# Altium PCB MB1635.PcbDoc (part 3 of 10)
Units mm, origin at the board's own origin, x right, y up, seen from the top; angles counter-clockwise.
Board outline 127 x 97 mm, 6 copper layers (Top Layer, Signal Layer 1, Signal Layer 2, Signal Layer 3, Signal Layer 4, Bottom Layer), stack 1.557 mm thick; 593 components, 478 nets, 2435 pads, 1743 vias.
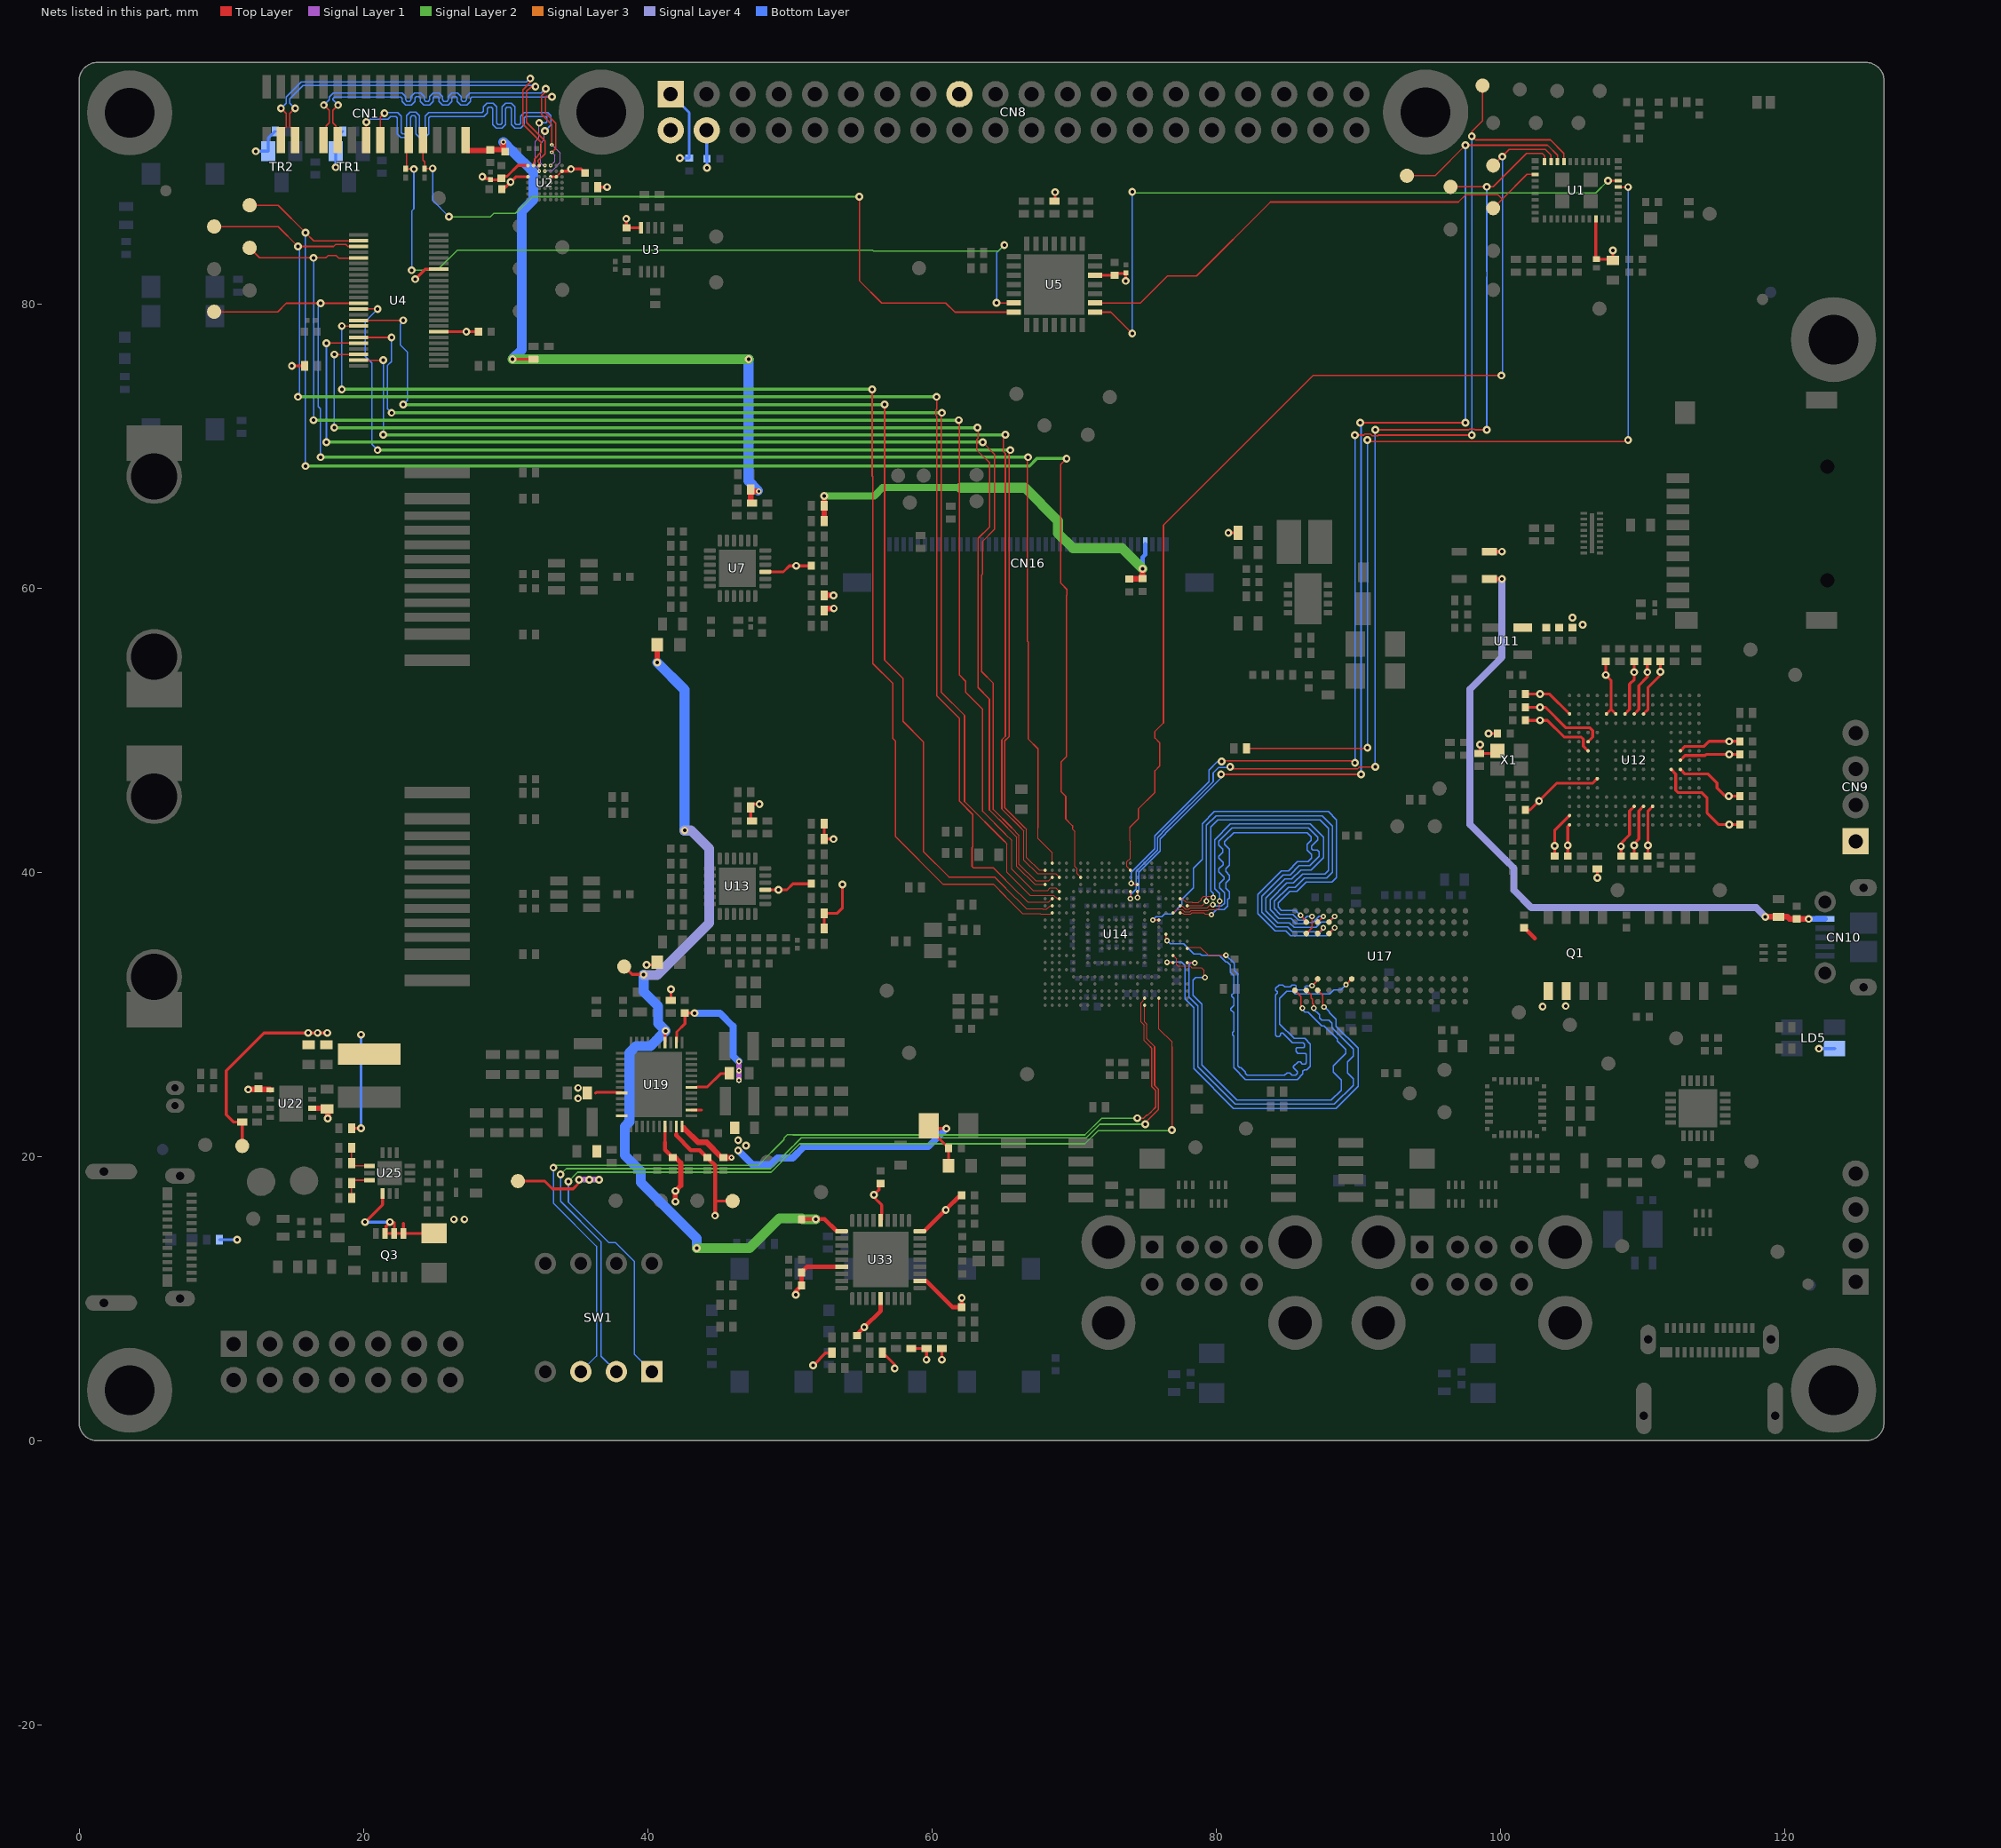
[diagram p7: the nets of this part, all layers, seen from the top]

## Part data (continued)
R31 R71 R75 R80 R82 R108 R120 R121 R168 R169: library part MCD-00068, "Resistor, 1K5, 0402, +/-1%, 1/16W", Manufacturer=YAGEO, Manufacturer_Part_Number=RC0402FR-071K5L, Package=0402, Component_Country_Of_Origin=China, ComponentLink1URL=http://tunmcdsvn.tun.st.com/Component_Documentation_Library/Trunk/Resistor/YAGEO_RC_L_Series, ID=2524, Internal_Part_Number=MCD-00068, Order_Code_Digikey=311-1.50KLRCT-ND, Order_Code_Farnell=9239251, Order_Code_RS=N/A, Part_Preference=Recommended, Part_Type=Resistor, ShowFields=YES, Status=Released
R35 R123 R127 R131 R138 R151: library part MCD-00181, "Resistor, 0R, 0603, +/- 0.5mR, 1/4W", Manufacturer=ROHM, Manufacturer_Part_Number=PMR03EZPJ000, Package=0603, Component_Country_Of_Origin="Philippines, Thailand", ComponentLink1URL=http://tunmcdsvn.tun.st.com/Component_Documentation_Library/Trunk/Resistor/ROHM_PMR_Series, ID=2691, Internal_Part_Number=MCD-00181, Order_Code_Digikey=PMR03EZPJ000-ND, Order_Code_Farnell=N/A, Order_Code_RS=N/A, Part_Preference=Recommended, Part_Type=Resistor, ShowFields=YES, Status=Released
R36 R41 R51 R79 R86 R98 R109: library part MCD-00455, "Resistor, 33R, 0402, +/-1%, 1/16W", Manufacturer=YAGEO, Manufacturer_Part_Number=RC0402FR-0733RL, Package=0402, Component_Country_Of_Origin=China, ComponentLink1URL=http://tunmcdsvn.tun.st.com/Component_Documentation_Library/Trunk/Resistor/YAGEO_RC_L_Series, ID=2821, Internal_Part_Number=MCD-00455, Order_Code_Digikey=311-33.0LRCT-ND, Order_Code_Farnell=9239057, Order_Code_RS=N/A, Part_Preference=Recommended, Part_Type=Resistor, ShowFields=YES, Status=Released
R37 R39 R40 R42 R92 R95 R97 R99: library part MCD-00565, "Resistor, 49R9, 0402, +/-1%, 1/16W", Manufacturer=YAGEO, Manufacturer_Part_Number=RC0402FR-0749R9L, Package=0402, Component_Country_Of_Origin=China, ComponentLink1URL=http://tunmcdsvn.tun.st.com/Component_Documentation_Library/Trunk/Resistor/YAGEO_RC_L_Series, ID=3178, Internal_Part_Number=MCD-00565, Order_Code_Digikey=311-49.9LRCT-ND, Order_Code_Farnell=1799218, Order_Code_RS=N/A, Part_Preference=Recommended, Part_Type=Resistor, ShowFields=YES, Status=Released
R44 R46 R156 R158 R159 R160 R161 R164 R165: library part MCD-00059, "Resistor, 100K, 0402, +/-1%, 1/16W", Manufacturer=YAGEO, Manufacturer_Part_Number=RC0402FR-07100KL, Package=0402, Component_Country_Of_Origin=China, ComponentLink1URL=http://tunmcdsvn.tun.st.com/Component_Documentation_Library/Trunk/Resistor/YAGEO_RC_L_Series, ID=2533, Internal_Part_Number=MCD-00059, Order_Code_Digikey=311-100KLRTR-ND, Order_Code_Farnell=2421891, Order_Code_RS=N/A, Part_Preference=Recommended, Part_Type=Resistor, ShowFields=YES, Status=Released
R47 R101: library part MCD-00723, "Resistor, 12K1, 0402, +/-1%, 1/16W", Manufacturer=YAGEO, Manufacturer_Part_Number=RC0402FR-0712K1L, Package=0402, Component_Country_Of_Origin=China, ComponentLink1URL=http://tunmcdsvn.tun.st.com/Component_Documentation_Library/Trunk/Resistor/YAGEO_RC_L_Series, ID=3022, Internal_Part_Number=MCD-00723, Order_Code_Digikey=311-12.1KLRCT-ND, Order_Code_Farnell=1799183, Order_Code_RS=N/A, Part_Preference=Recommended, Part_Type=Resistor, ShowFields=YES, Status=Released
R49: library part MCD-00060, "Resistor, 10R, 0603, +/-1%, 1/4W", Manufacturer=ROHM, Manufacturer_Part_Number=ESR03EZPF10R0, Package=0603, Component_Country_Of_Origin="Philippines, Thailand", ComponentLink1URL=http://tunmcdsvn.tun.st.com/Component_Documentation_Library/Trunk/Resistor/ROHM_ESR_Series, ID=2531, Internal_Part_Number=MCD-00060, Order_Code_Digikey=RHM10.0ADCT-ND, Order_Code_Farnell=2887146, Order_Code_RS=167-3753, Part_Preference=Recommended, Part_Type=Resistor, ShowFields=YES, Status=Released
R50 R107: library part MCD-00189, "Resistor, 22R, 0402, +/-1%, 1/16W", Manufacturer=YAGEO, Manufacturer_Part_Number=RC0402FR-0722RL, Package=0402, Component_Country_Of_Origin=China, ComponentLink1URL=http://tunmcdsvn.tun.st.com/Component_Documentation_Library/Trunk/Resistor/YAGEO_RC_L_Series, ID=2677, Internal_Part_Number=MCD-00189, Order_Code_Digikey=311-22.0LRCT-ND, Order_Code_Farnell=9239030, Order_Code_RS=N/A, Part_Preference=Recommended, Part_Type=Resistor, ShowFields=YES, Status=Released
R62 R63 R148: library part MCD-00433, "Resistor, 2K4, 0402, +/-1%, 1/16W", Manufacturer=YAGEO, Manufacturer_Part_Number=RC0402FR-072K4L, Package=0402, Component_Country_Of_Origin=China, ComponentLink1URL=http://tunmcdsvn.tun.st.com/Component_Documentation_Library/Trunk/Resistor/YAGEO_RC_L_Series, ID=2843, Internal_Part_Number=MCD-00433, Order_Code_Digikey=311-2.40KLRCT-ND, Order_Code_Farnell=1458767, Order_Code_RS=N/A, Part_Preference=Recommended, Part_Type=Resistor, ShowFields=YES, Status=Released
R66 R128: library part MCD-00185, "Resistor, 3K, 0402, +/-1%, 1/16W", Manufacturer=YAGEO, Manufacturer_Part_Number=RC0402FR-073KL, Package=0402, Component_Country_Of_Origin=China, ComponentLink1URL=http://tunmcdsvn.tun.st.com/Component_Documentation_Library/Trunk/Resistor/YAGEO_RC_L_Series, ID=2682, Internal_Part_Number=MCD-00185, Order_Code_Digikey=311-3KLRCT-ND, Order_Code_Farnell=1458777, Order_Code_RS=N/A, Part_Preference=Recommended, Part_Type=Resistor, ShowFields=YES, Status=Released
R74 R173 R175 R177 R182: library part MCD-00067, "Resistor, 100R, 0402, +/- 1%, 1/16W", Manufacturer=YAGEO, Manufacturer_Part_Number=RC0402FR-07100RL, Package=0402, Component_Country_Of_Origin=China, ComponentLink1URL=http://tunmcdsvn.tun.st.com/Component_Documentation_Library/Trunk/Resistor/YAGEO_RC_L_Series, ID=2527, Internal_Part_Number=MCD-00067, Order_Code_Digikey=311-100LRCT-ND, Order_Code_Farnell=9239111, Order_Code_RS=N/A, Part_Preference=Recommended, Part_Type=Resistor, ShowFields=YES, Status=Released
R111: library part MCD-03129, "Resistor, 12mR, 0603, 1%, 1/2W", Manufacturer=PANASONIC, Manufacturer_Part_Number=ERJ-3BWFR022V, Package=0603, Component_Country_Of_Origin=Japan, ComponentLink1URL=http://tunmcdsvn.tun.st.com/Component_Documentation_Library/Trunk/Resistor/PANASONIC_ERJ_Series, ID=4332, Internal_Part_Number=MCD-02232, Order_Code_Digikey=P17462CT-ND, Order_Code_Farnell=1798578, Order_Code_RS=763-8671P, Part_Preference=Recommended, Part_Type=Resistor, ShowFields=YES, Status=Checked
R112 R179: library part MCD-00120, "Resistor, 240R, 0402, +/-1%, 1/16W", Manufacturer=YAGEO, Manufacturer_Part_Number=RC0402FR-07240RL, Package=0402, Component_Country_Of_Origin=China, ComponentLink1URL=http://tunmcdsvn.tun.st.com/Component_Documentation_Library/Trunk/Resistor/YAGEO_RC_L_Series, ID=2745, Internal_Part_Number=MCD-00120, Order_Code_Digikey=311-240LRCT-ND, Order_Code_Farnell=1458766, Order_Code_RS=N/A, Part_Preference=Recommended, Part_Type=Resistor, ShowFields=YES, Status=Released
R113 R124 R137: library part MCD-02234, "Resistor, 100mR, 0603, +/- 1%, 1/3W", Manufacturer=PANASONIC, Manufacturer_Part_Number=ERJ-3BWFR100V, Package=0603, Component_Country_Of_Origin=Japan, ComponentLink1URL=http://tunmcdsvn.tun.st.com/Component_Documentation_Library/Trunk/Resistor/PANASONIC_ERJ_Series, ID=4334, Internal_Part_Number=MCD-02234, Order_Code_Digikey=P17478CT-ND, Order_Code_Farnell=1798596, Order_Code_RS=763-8731, Part_Preference=Recommended, Part_Type=Resistor, ShowFields=YES, Status=Checked
R117 R125 R152 R183: library part MCD-00062, "Resistor, 330R, 0402, +/-1%, 1/16W", Manufacturer=YAGEO, Manufacturer_Part_Number=RC0402FR-07330RL, Package=0402, Component_Country_Of_Origin=China, ComponentLink1URL=http://tunmcdsvn.tun.st.com/Component_Documentation_Library/Trunk/Resistor/YAGEO_RC_L_Series, ID=2529, Internal_Part_Number=MCD-00062, Order_Code_Digikey=311-330LRCT-ND, Order_Code_Farnell=9239170, Order_Code_RS=N/A, Part_Preference=Recommended, Part_Type=Resistor, ShowFields=YES, Status=Released
R126 R132: library part MCD-02233, "Resistor, 50mR, 0603, +/-1%, 1/3W", Manufacturer=PANASONIC, Manufacturer_Part_Number=ERJ-3BWFR050V, Package=0603, Component_Country_Of_Origin=Japan, ComponentLink1URL=http://tunmcdsvn.tun.st.com/Component_Documentation_Library/Trunk/Resistor/PANASONIC_ERJ_Series, ID=4333, Internal_Part_Number=MCD-02233, Order_Code_Digikey=ERJ-3BWFR050V, Order_Code_Farnell=2493026, Order_Code_RS=RA, Part_Preference=Recommended, Part_Type=Resistor, ShowFields=YES, Status=Checked
R129: library part MCD-00384, "Resistor, 13K, 0603,+/-1%, 1/10W", Manufacturer=YAGEO, Manufacturer_Part_Number=RC0603FR-0713KL, Package=0603, Component_Country_Of_Origin=China, ComponentLink1URL=http://tunmcdsvn.tun.st.com/Component_Documentation_Library/Trunk/Resistor/YAGEO_RC_L_Series, ID=2894, Internal_Part_Number=MCD-00384, Order_Code_Digikey=311-13.0KHRCT-ND, Order_Code_Farnell=1799325, Order_Code_RS=N/A, Part_Preference=Recommended, Part_Type=Resistor, ShowFields=YES, Status=Released
R134: library part MCD-00420, "Resistor, 2K ,0603, +/-1%, 1/10W", Manufacturer=YAGEO, Manufacturer_Part_Number=RC0603FR-072KL, Package=0603, Component_Country_Of_Origin=China, ComponentLink1URL=http://tunmcdsvn.tun.st.com/Component_Documentation_Library/Trunk/Resistor/YAGEO_RC_L_Series, ID=2857, Internal_Part_Number=MCD-00420, Order_Code_Digikey=311-2.00KHRCT-ND, Order_Code_Farnell=1799328, Order_Code_RS=N/A, Part_Preference=Recommended, Part_Type=Resistor, ShowFields=YES, Status=Released
R135: library part MCD-00521, "Resistor, 75K, 0402, +/-1%, 1/16W", Manufacturer=YAGEO, Manufacturer_Part_Number=RC0402FR-0775KL, Package=0402, Component_Country_Of_Origin=China, ComponentLink1URL=http://tunmcdsvn.tun.st.com/Component_Documentation_Library/Trunk/Resistor/YAGEO_RC_L_Series, ID=3220, Internal_Part_Number=MCD-00521, Order_Code_Digikey=311-75KLRCT-ND, Order_Code_Farnell=1458825, Order_Code_RS=N/A, Part_Preference=Recommended, Part_Type=Resistor, ShowFields=YES, Status=Released
R136: library part MCD-00435, "Resistor, 24K, 0402, +/-1%, 1/16W", Manufacturer=YAGEO, Manufacturer_Part_Number=RC0402FR-0724KL, Package=0402, Component_Country_Of_Origin=China, ComponentLink1URL=http://tunmcdsvn.tun.st.com/Component_Documentation_Library/Trunk/Resistor/YAGEO_RC_L_Series, ID=2845, Internal_Part_Number=MCD-00435, Order_Code_Digikey=311-24KLRCT-ND, Order_Code_Farnell=N/A, Order_Code_RS=N/A, Part_Preference=Recommended, Part_Type=Resistor, ShowFields=YES, Status=Released
R142: library part MCD-00259, "Resistor, 33K, 0603, +/-1%, 1/10W", Manufacturer=YAGEO, Manufacturer_Part_Number=RC0603FR-0733KL, Package=0603, BMS_Part_Number=9129771, Component_Country_Of_Origin=China, ComponentLink1URL=http://tunmcdsvn.tun.st.com/Component_Documentation_Library/Trunk/Resistor/YAGEO_RC_L_Series, ID=2610, Internal_Part_Number=MCD-00259, Order_Code_Digikey=311-33.0KHRCT-ND, Order_Code_Farnell=9238662, Order_Code_RS=N/A, Part_Preference=Recommended, Part_Type=Resistor, ShowFields=YES, Status=Released
R143: library part MCD-00530, "Resistor, 8K2, 0603, +/-1%, 1/10W", Manufacturer=YAGEO, Manufacturer_Part_Number=RC0603FR-078K2L, Package=0603, Component_Country_Of_Origin=China, ComponentLink1URL=http://tunmcdsvn.tun.st.com/Component_Documentation_Library/Trunk/Resistor/YAGEO_RC_L_Series, ID=3212, Internal_Part_Number=MCD-00530, Order_Code_Digikey=311-8.20KHRCT-ND, Order_Code_Farnell=9238590, Order_Code_RS=N/A, Part_Preference=Recommended, Part_Type=Resistor, ShowFields=YES, Status=Released
R145 R147: library part MCD-00333, "Resistor, 5K1, 0402, +/-1%, 1/16W", Manufacturer=YAGEO, Manufacturer_Part_Number=RC0402FR-075K1L, Package=0402, Component_Country_Of_Origin=China, ComponentLink1URL=http://tunmcdsvn.tun.st.com/Component_Documentation_Library/Trunk/Resistor/YAGEO_RC_L_Series, ID=2944, Internal_Part_Number=MCD-00333, Order_Code_Digikey=311-5.10KLRCT-ND, Order_Code_Farnell=1458805, Order_Code_RS=N/A, Part_Preference=Recommended, Part_Type=Resistor, ShowFields=YES, Status=Released
R146: library part MCD-00187, "Resistor, 12K, 0402, +/-1%, 1/16W", Manufacturer=YAGEO, Manufacturer_Part_Number=RC0402FR-0712KL, Package=0402, BMS_Part_Number=9131030, Component_Country_Of_Origin=China, ComponentLink1URL=http://tunmcdsvn.tun.st.com/Component_Documentation_Library/Trunk/Resistor/YAGEO_RC_L_Series, ID=2678, Internal_Part_Number=MCD-00187, Order_Code_Digikey=311-12.0KLRCT-ND, Order_Code_Farnell=9239367, Order_Code_RS=N/A, Part_Preference=Recommended, Part_Type=Resistor, ShowFields=YES, Status=Released
R153 R154 R155 R157 R170 R171 R174 R181: library part MCD-00061, "Resistor, 1K, 0402, +/-1%,1/16W", Manufacturer=YAGEO, Manufacturer_Part_Number=RC0402FR-071KL, Package=0402, Component_Country_Of_Origin=China, ComponentLink1URL=http://tunmcdsvn.tun.st.com/Component_Documentation_Library/Trunk/Resistor/YAGEO_RC_L_Series, ID=2532, Internal_Part_Number=MCD-00061, Order_Code_Digikey=311-1.00KLRCT-ND, Order_Code_Farnell=9239235, Order_Code_RS=N/A, Part_Preference=Recommended, Part_Type=Resistor, ShowFields=YES, Status=Released
R172 R184: library part MCD-00507, "Resistor, 680R, 0402, +/-1%, 1/16W", Manufacturer=YAGEO, Manufacturer_Part_Number=RC0402FR-07680RL, Package=0402, Component_Country_Of_Origin=China, ComponentLink1URL=http://tunmcdsvn.tun.st.com/Component_Documentation_Library/Trunk/Resistor/YAGEO_RC_L_Series, ID=3238, Internal_Part_Number=MCD-00507, Order_Code_Digikey=311-680LRCT-ND, Order_Code_Farnell=9239219, Order_Code_RS=N/A, Part_Preference=Recommended, Part_Type=Resistor, ShowFields=YES, Status=Released
R185: library part MCD-01512, "Resistor, 1R, 0603, +/-1%, 1/10W", Manufacturer=YAGEO, Manufacturer_Part_Number=RC0603FR-071RL, Package=0603, Component_Country_Of_Origin=China, ComponentLink1URL=http://tunmcdsvn.tun.st.com/Component_Documentation_Library/Trunk/Resistor/YAGEO_RC_L_Series, ID=3612, Internal_Part_Number=MCD-01512, Order_Code_Digikey=311-1.00HRCT-ND, Order_Code_Farnell=9238123, Order_Code_RS=N/A, Part_Preference=Recommended, Part_Type=Resistor, ShowFields=YES, Status=Released
R186: library part MCD-00489, "Resistor, 560R, 0402, +/-1%, 1/16W", Manufacturer=YAGEO, Manufacturer_Part_Number=RC0402FR-07560RL, Package=0402, Component_Country_Of_Origin=China, ComponentLink1URL=http://tunmcdsvn.tun.st.com/Component_Documentation_Library/Trunk/Resistor/YAGEO_RC_L_Series, ID=2789, Internal_Part_Number=MCD-00489, Order_Code_Digikey=311-560LRCT-ND, Order_Code_Farnell=9239200, Order_Code_RS=N/A, Part_Preference=Recommended, Part_Type=Resistor, ShowFields=YES, Status=Released
SW1: library part MCD-02256, "Quad SPST switch, TH, 2.54mm pitch, height 7.5mm", Manufacturer=GRAYHILL, Package="DIP8 2.54mm pitch", Component_Country_Of_Origin=China, ComponentLink1URL=http://tunmcdsvn.tun.st.com/Component_Datasheet_Library/Trunk/Misc/GRAYHILL_DIP_Series_76_SPST, ID=4356, Internal_Part_Number=MCD-02256, Manufacturer_Part_Number=76SB04ST, Order_Code_Digikey=GH7169-ND, Order_Code_Farnell=9479007, Order_Code_RS=878-0230, Part_Preference=Recommended, Part_Type=Misc, ShowFields=YES, Status=Released
TP1 TP2 TP3 TP4 TP5 TP6 TP7 TP8 TP9 TP10 TP11 TP12 TP13 TP14 TP15 TP16 TP17 TP18 TP19 TP20 TP21 TP22 TP23 TP24 TP25 TP26 TP27 TP28 TP29 TP30 TP31 TP32 TP33 TP34 TP35 TP36 TP37 TP38 TP39 TP40 TP41 TP42 TP43 TP44 TP45 TP46 TP47 TP48 TP49 TP50 TP51 TP52 TP53 TP54 TP55 TP56 TP57 TP58 TP59 TP61 TP62 TP63 TP64 TP65 TP66 TP67 TP69 TP70 TP71 TP72 TP73 TP74 TP75 TP77: library part MCD-00074, "Test Point 1mm", Manufacturer=N/A, ComponentLink1URL=http://na, ID=2518, Internal_Part_Number=MCD-00074, Manufacturer_Part_Number=N/A, Order_Code_Digikey=N/A, Order_Code_Farnell=N/A, Order_Code_RS=N/A, Part_Preference=Recommended, Part_Type=Misc, ShowFields=YES, Status=Released
TP68 TP76: library part MCD-00177, "Test Point 2mm", Manufacturer=N/A, ComponentLink1URL=http://na, ID=2690, Internal_Part_Number=MCD-00177, Manufacturer_Part_Number=N/A, Order_Code_Digikey=N/A, Order_Code_Farnell=N/A, Order_Code_RS=N/A, Part_Preference=Recommended, Part_Type=Misc, ShowFields=YES, Status=Released
TR1 TR2: library part MCD-02156, "MOSFET, N-Channel , Vds: 25V, Id: 0,22A, Vgs(th): 1.06V, Vgs(max): +/-8V, Rdson:5ohm@Vgs=2.7V, Qg=0,49nC", Manufacturer="ON SEMICONDUCTOR", Manufacturer_Part_Number=FDV301N, Package=SOT23-3, Component_Country_Of_Origin=China, ComponentLink1URL=http://tunmcdsvn.tun.st.com/Component_Datasheet_Library/Trunk/Transistors/ON_SEMICONDUCTOR_MOSFET_FDN301N, ID=4256, Internal_Part_Number=MCD-02156, Order_Code_Digikey=N/A, Order_Code_Farnell=N/A, Order_Code_RS=N/A, Part_Preference=Recommended, Part_Type=Transistor, ShowFields=YES, Status=Released
U1: library part MCD-00268, "IEEE802.11b/g/n W-LAN + Bluetooth 4.1+EDR module", Manufacturer=MURATA, Manufacturer_Part_Number=LBEE5KL1DX-977, Component_Country_Of_Origin=Japan, ComponentLink1URL=http://tunmcdsvn.tun.st.com/Component_Datasheet_Library/Trunk/IC/MURATA_LBEE5KL1DX_wifi_BLE, ID=2603, Internal_Part_Number=MCD-00268, Part_Preference=Recommended, Part_Type=IC, ShowFields=YES, Status=Released
U2: library part MCD-02213, "Dual mode MIPI CSI-2 / SMIA CCP2 de-serializer", Manufacturer=STMICROELECTRONICS, Manufacturer_HQ_COO=EU, Manufacturer_Part_Number=STMIPID02/TR, Package="VFBGA 49-ball, 3x3x1mm, 0.4mm pitch", Component_Country_Of_Origin=Malaysia, ComponentLink1URL="http://tunmcdsvn.tun.st.com/Component_Datasheet_Library/Trunk/IC/STM_STMIPID02_MIPI deserializer", ID=4313, Internal_Part_Number=MCD-02213, Order_Code_Digikey=N/A, Order_Code_Farnell=N/A, Order_Code_RS=N/A, Part_Preference=Recommended, Part_Type=IC, ShowFields=YES, Status=Released
U3: library part MCD-00264, "Dual bit dual supply bus transceiver", Manufacturer="TEXAS INSTRUMENTS", BMS_Part_Number=9169311, Component_Country_Of_Origin=Thailand, ComponentLink1URL=http://tunmcdsvn.tun.st.com/Component_Datasheet_Library/Trunk/IC/TI_Dual_bit_tranceiver_SN74LVC2T45, ID=2605, Internal_Part_Number=MCD-00264, Manufacturer_Part_Number=SN74LVC2T45DCUT, Part_Preference=Recommended, Part_Type=IC, ShowFields=YES, Status=Released
U4: library part MCD-02226, "16-bit translating transceiver", Manufacturer="TEXAS INSTRUMENTS", Manufacturer_Part_Number=SN74AVC16T245DGVR, Package="TVSOP,  56-ball 4.5x7mm, 0.65mm pitch", Component_Country_Of_Origin=Malaysia, ComponentLink1URL=http://tunmcdsvn.tun.st.com/Component_Datasheet_Library/Trunk/IC/TI_16-bit_translating_transceiver_SN74AVC16T245, ID=4326, Internal_Part_Number=MCD-02226, Order_Code_Digikey=N/A, Order_Code_Farnell=N/A, Order_Code_RS=N/A, Part_Preference=Recommended, Part_Type=IC, ShowFields=YES, Status=Released
U5: library part MCD-02210, "16-bit port expander with I2C control", Manufacturer=MICROCHIP, Manufacturer_Part_Number=MCP23017T-E/ML, Package="QFN28 6x6mm", Component_Country_Of_Origin=Unknown, ComponentLink1URL=http://tunmcdsvn.tun.st.com/Component_Datasheet_Library/Trunk/IC/MICROCHIP_IOexpander_MCP23017, ID=4310, Internal_Part_Number=MCD-02210, Order_Code_Digikey=MCP23017T-E/MLTR-ND, Order_Code_Farnell=2857786, Order_Code_RS=177-2846, Part_Preference=Recommended, Part_Type=IC, ShowFields=YES, Status=Released
U6: library part MCD-00249, "ESD protection for SD card 2.0", Manufacturer=STMICROELECTRONICS, Manufacturer_HQ_COO=EU, BMS_Part_Number=9179003, Component_Country_Of_Origin=Thailand, ComponentLink1URL=http://tunmcdsvn.tun.st.com/Component_Datasheet_Library/Trunk/Diodes/STM_ESD_EMIF06-MSD02N16, ID=2617, Internal_Part_Number=MCD-00249, Manufacturer_Part_Number=EMIF06-MSD02N16, Order_Code_Digikey=497-8751-2-ND, Order_Code_Farnell=2341664, Order_Code_RS=165-8188, Part_Preference=Recommended, Part_Type=Diode, ShowFields=YES, Status=Released
U7 U13: library part MCD-00719, "10/100M RMII Ethernet transceiver", Manufacturer=MICROCHIP, BMS_Part_Number=9177984, Component_Country_Of_Origin=Unknown, ComponentLink1URL=http://tunmcdsvn.tun.st.com/Component_Datasheet_Library/Trunk/IC/MICROCHIP_LAN8742A_RMII_PHY, ID=3026, Internal_Part_Number=MCD-00719, Manufacturer_Part_Number=LAN8742A-CZ-TR, Part_Preference=Recommended, Part_Type=IC, ShowFields=YES, Status=Released
U8 U15: library part MCD-00250, "Very low capacitance ESD protection , 4 lines", Manufacturer=STMICROELECTRONICS, Manufacturer_HQ_COO=EU, BMS_Part_Number=9151001, Component_Country_Of_Origin=China, ComponentLink1URL=http://tunmcdsvn.tun.st.com/Component_Datasheet_Library/Trunk/Diodes/STM_ESD_USBLC6-4SC6, ID=2616, Internal_Part_Number=MCD-00250, Manufacturer_Part_Number=USBLC6-4SC6, Part_Preference=Recommended, Part_Type=IC, ShowFields=YES, Status=Released
U9: library part MCD-00082, "White LED power supply for large display backlight, QFN8", Manufacturer=STMICROELECTRONICS, Manufacturer_HQ_COO=EU, BMS_Part_Number=9176009, Component_Country_Of_Origin=Malaysia, ComponentLink1URL=http://tunmcdsvn.tun.st.com/Component_Datasheet_Library/Trunk/IC/STM_White-LED-PWR_STLD40DPUR_QFN8, ID=2510, Internal_Part_Number=MCD-00082, Manufacturer_Part_Number=STLD40DPUR, Part_Preference=Recommended, Part_Type=IC, ShowFields=YES, Status=Released
U10 U37 U40 U41: library part MCD-00170, "ESD protection 6V1", Manufacturer=STMICROELECTRONICS, Manufacturer_HQ_COO=EU, Manufacturer_Part_Number=ESDALC6V1-1U2, BMS_Part_Number=9151132, Component_Country_Of_Origin=China, ComponentLink1URL=http://tunmcdsvn.tun.st.com/Component_Datasheet_Library/Trunk/Diodes/STM_ESD_ESDALC6V1-1U2, ID=2696, Internal_Part_Number=MCD-00170, Part_Preference=Recommended, Part_Type=Diode, ShowFields=YES, Status=Released
U11: library part MCD-00086, "Ultra low drop-low noise BiCMOS voltage, regulators low ESR capacitors compatible", Manufacturer=STMICROELECTRONICS, Manufacturer_HQ_COO=EU, BMS_Part_Number=9176161, Component_Country_Of_Origin=China, ComponentLink1URL=http://tunmcdsvn.tun.st.com/Component_Datasheet_Library/Trunk/IC/STM_LDO_LD3985, ID=2506, Internal_Part_Number=MCD-00086, Manufacturer_Part_Number=LD3985M33R, Part_Preference=Recommended, Part_Type=IC, ShowFields=YES, Status=Released
U12: library part MCD-01523, "MCU, Arm Cortex-M7 32-bit MCU, 512KB Flash, 276KB RAM, With Crypto", Manufacturer=STMICROELECTRONICS, Manufacturer_HQ_COO=EU, Manufacturer_Part_Number=STM32F723IEK6, Package=ICC_UFBGA201_176+25_10X10_P065, Component_Country_Of_Origin=Philippines, ComponentLink1URL=http://tunmcdsvn.tun.st.com/Component_Datasheet_Library/Trunk/IC/BGA176+25L_10x10x0.6_pitch0.65.pdf, ID=3623, Internal_Part_Number=MCD-01523, Part_Preference=Recommended, Part_Type=IC, ShowFields=YES
U14: library part MCD-02251, "Cortex-A7 @ 900MHz, 128KB-ROM, 128KB-SRAM, 2x Ethernet, 2x ADC, 2x CAN FD, TSC, Camera, Display, Secure Boot, Cryptography, DRAM enc/dec, PKA", Manufacturer=STMICROELECTRONICS, Manufacturer_HQ_COO=EU, Package=TFBGA320, Component_Country_Of_Origin=Unknown, ComponentLink1URL=http://tunmcdsvn.tun.st.com/Component_Datasheet_Library/Trunk/Socket_IC/STM_MPU_STM32MP135FAF7_Socket, ID=4351, Internal_Part_Number=MCD-02251, Manufacturer_Part_Number=STM32MP135FAF7, Order_Code_Digikey=N/A, Order_Code_Farnell=N/A, Order_Code_RS=N/A, Part_Preference=Recommended, Part_Type=IC, ShowFields=YES, Status=Checked
U16: library part MCD-00251, "High power transient voltage suppressor, 7V breakdown", Manufacturer=STMICROELECTRONICS, Manufacturer_HQ_COO=EU, Manufacturer_Part_Number=ESDA7P60-1U1M, BMS_Part_Number=9179042, Component_Country_Of_Origin=China, ComponentLink1URL=http://tunmcdsvn.tun.st.com/Component_Datasheet_Library/Trunk/Diodes/STM_ESD_ESDA7P60-1U1M, ID=2618, Internal_Part_Number=MCD-00251, Part_Preference=Recommended, Part_Type=Diode, ShowFields=YES, Status=Released
U17: library part MCD-01811, "Memory,DDR3L,4Gb,256Mbx16,933Mhz,1V35,TFBGA", Manufacturer=NANYA, BMS_Part_Number=9171435, Component_Country_Of_Origin=Taiwan, ComponentLink1URL=http://tunmcdsvn.tun.st.com/Component_Datasheet_Library/Trunk/IC/Nanya_DDR3_NT5CC256M16ER-EK, ID=3911, Internal_Part_Number=MCD-01811, Manufacturer_Part_Number=NT5CC256M16ER-EK, Part_Preference=Recommended, Part_Type=IC, ShowFields=YES, Status=Released
U18 U26 U27 U28 U29 U32: library part MCD-00649, "Common mode filter with ESD protection for USB 2.0 interface", Manufacturer=STMICROELECTRONICS, Manufacturer_HQ_COO=EU, BMS_Part_Number=9151138, Component_Country_Of_Origin=China, ComponentLink1URL=http://tunmcdsvn.tun.st.com/Component_Datasheet_Library/Trunk/Diodes/STM_ESD_ECMF02-2AMX6, ID=3094, Internal_Part_Number=MCD-00649, Manufacturer_Part_Number=ECMF02-2AMX6, Part_Preference=Recommended, Part_Type=Diode, ShowFields=YES, Status=Released
U19: library part MCD-02275, "ST PMIC: 4 step-down +1 advanced boost SMPS, 6 LDOs, 2 pwr switches, DDR Vref, NVM option 'D' for IO@3.3V", Manufacturer=STMICROELECTRONICS, Manufacturer_Part_Number=STPMIC1DPQR, Package="WFQFN 5.0x6.0x0.80mm", Component_Country_Of_Origin=Philippines, ComponentLink1URL=http://tunmcdsvn.tun.st.com/Component_Documentation_Library/Trunk/IC/STMICROELECTRONICS_STPMIC1, ID=4375, Internal_Part_Number=MCD-02275, Order_Code_Digikey=N/A, Order_Code_Farnell=N/A, Order_Code_RS=N/A, Part_Preference=Recommended, Part_Type=IC, ShowFields=YES, Status=Released
U20: library part MCD-02130, "USB Type-C Port Protection for USB DRP Power Delivery, PPS compliant", Manufacturer=STMICROELECTRONICS, Manufacturer_HQ_COO=EU, Package=QFN-20L, Component_Country_Of_Origin=Unknown, ComponentLink1URL=http://tunmcdsvn.tun.st.com/Component_Documentation_Library/Trunk/IC/STMICROELECTRONICS_TCPP03-M20, ID=4230, Internal_Part_Number=MCD-02130, Manufacturer_Part_Number=TCPP03-M20, Order_Code_Digikey=N/A, Order_Code_Farnell=N/A, Order_Code_RS=N/A, Part_Preference=Recommended, Part_Type=IC, ShowFields=YES, Status=Released
U21: library part MCD-02218, "Arm Cortex-M0+ 32-bit MCU, up to 128 KB Flash, 36 KB RAM,  4x USART, timers, ADC, DAC, comm. I/Fs, 1.7-3.6V", Manufacturer=STMICROELECTRONICS, Manufacturer_HQ_COO=EU, Package=UFQFPN28, Component_Country_Of_Origin=China, ComponentLink1URL=http://tunmcdsvn.tun.st.com/Component_Datasheet_Library/Trunk/IC/STM_MCU_STM32G071G8U6N, ID=4318, Internal_Part_Number=MCD-02218, Manufacturer_Part_Number=STM32G071G8U6N, Order_Code_Digikey=STM32G071G8U6N-ND, Order_Code_Farnell=3011626, Order_Code_RS=NA, Part_Preference=Recommended, Part_Type=IC, ShowFields=YES, Status=Checked
U22: library part MCD-02243, "3A DC step-down switching regulator 1,5MHz", Manufacturer=STMICROELECTRONICS, Manufacturer_HQ_COO=EU, Package="VFDFPN 3x3mm - 8L", Component_Country_Of_Origin=Malaysia, ComponentLink1URL=http://tunmcdsvn.tun.st.com/Component_Datasheet_Library/Trunk/IC/STM_DC-DC_converter_ST1S31PUR, ID=4343, Internal_Part_Number=MCD-02243, Manufacturer_Part_Number=ST1S31PUR, Order_Code_Digikey=N/A, Order_Code_Farnell=N/A, Order_Code_RS=N/A, Part_Preference=Recommended, Part_Type=IC, ShowFields=YES, Status=Released
U23 U24: library part MCD-00123, "IC,Dual-Channel-Power-Switch,500mA,100mR,SO8", Manufacturer=STMICROELECTRONICS, Manufacturer_HQ_COO=EU, BMS_Part_Number=9159012, Component_Country_Of_Origin=China, ComponentLink1URL=http://tunmcdsvn.tun.st.com/Component_Datasheet_Library/Trunk/IC/STM_PWR_switch_STMPS2252MTR, ID=2746, Internal_Part_Number=MCD-00123, Manufacturer_Part_Number=STMPS2252MTR, Order_Code_Digikey=N/A, Order_Code_Farnell=N/A, Order_Code_RS=N/A, Part_Preference=Recommended, Part_Type=IC, ShowFields=YES, Status=Released
U25: library part MCD-01809, "USB Type-C Port Protection for USB Power Delivery, PPS compliant", Manufacturer=STMICROELECTRONICS, Manufacturer_HQ_COO=EU, Package=QFN-12L, BMS_Part_Number=9151145, Component_Country_Of_Origin=Malaysia, ComponentLink1URL=http://tunmcdsvn.tun.st.com/Component_Datasheet_Library/Trunk/IC/STM_UCPD_Protection_TCPP01-M12, ID=3909, Internal_Part_Number=MCD-01809, Manufacturer_Part_Number=TCPP01-M12, Part_Preference=Recommended, Part_Type=IC, ShowFields=YES, Status=Released
U30 U31 U38 U39: library part MCD-01026, "High power transient voltage suppressor", Manufacturer=STMICROELECTRONICS, Manufacturer_HQ_COO=EU, Manufacturer_Part_Number=ESDA7P120-1U1M, Package=QFN1610, BMS_Part_Number=9179046, Component_Country_Of_Origin=China, ComponentLink1URL=http://tunmcdsvn.tun.st.com/Component_Datasheet_Library/Trunk/Diodes/STM_ESD_ESDA7P120-1U1M, ID=2997, Internal_Part_Number=MCD-01026, Part_Preference=Recommended, Part_Type=Diode, ShowFields=YES, Status=Released
U33: library part MCD-00145, "USB HUB 2,0 Controller", Manufacturer=MICROCHIP, Component_Country_Of_Origin=Unknown, ComponentLink1URL="http://tunmcdsvn.tun.st.com/Component_Datasheet_Library/Trunk/IC/Microchip_HS Hub Controller_USB2514B-AEZC", ID=2724, Internal_Part_Number=MCD-00145, Manufacturer_Part_Number=USB2514B-AEZC, Order_Code_Digikey=N/A, Order_Code_Farnell=N/A, Order_Code_RS=N/A, Part_Preference=Recommended, Part_Type=IC, ShowFields=YES, Status=Released
U34 U36: library part MCD-01207, "High power Transient voltage suppressor:25V/35A EOS and ESD transients protection.", Manufacturer=STMICROELECTRONICS, Manufacturer_HQ_COO=EU, Manufacturer_Part_Number=ESDA25P35-1U1M, Package=QFN1610, BMS_Part_Number=9179045, Component_Country_Of_Origin=China, ComponentLink1URL=http://tunmcdsvn.tun.st.com/Component_Datasheet_Library/Trunk/Diodes/STM_ESD_ESDA25P35-1U1M, ID=3289, Internal_Part_Number=MCD-01207, Part_Preference=Recommended, Part_Type=Diode, ShowFields=YES, Status=Released
U35: library part MCD-02422, "LCD,  TFT, 4.3 inch, 480x272 pixels with LED Backlight and Capacitive touch panel, high luminance with 0.5mm pitch flat cable", Manufacturer=ROCKTECH, Manufacturer_Part_Number=RK043FN78HV-CT661C, Component_Country_Of_Origin=Unknown, ComponentLink1URL=http://tunmcdsvn.tun.st.com/Component_Documentation_Library/Trunk/Display/ROCKTECH_RK043FN78H-CT661C, ID=4528, Internal_Part_Number=MCD-02422, Order_Code_Digikey=N/A, Order_Code_Farnell=N/A, Order_Code_RS=N/A, Part_Preference=Recommended, Part_Type=Display, ShowFields=YES, Status=Released
X1: library part MCD-00597, "Oscillator, SPXO, 25Mhz, +/-50ppm, 3V3, square wave, 2.5x2mm", Manufacturer=NDK, Manufacturer_Part_Number=NZ2520SH-25MHZ-END4869C, Package=2.5x2mm, BMS_Part_Number=9157050, Component_Country_Of_Origin=Unknown, ComponentLink1URL=http://tunmcdsvn.tun.st.com/Component_Documentation_Library/Trunk/Crytal_Oscillator/NDK_NZ2520SH_Series, ID=3148, Internal_Part_Number=MCD-00597, Order_Code_Digikey=N/A, Order_Code_Farnell=N/A, Order_Code_RS=N/A, Part_Preference=Recommended, Part_Type=Crystal_Osc, ShowFields=YES, Status=Released
X2: library part MCD-01479, "Crystal, 32.768kHz, 6pF, +/-20ppm, 80K, 2.05x1.2mm", Manufacturer=NDK, Manufacturer_Part_Number=NX2012SA-32.768KHZ-EXS00A-MU00527, Package=2.05x1.2mm, BMS_Part_Number=9157049, Component_Country_Of_Origin=Unknown, ComponentLink1URL=http://tunmcdsvn.tun.st.com/Component_Documentation_Library/Trunk/Crytal_Oscillator/NDK_NX2012SA_Series, ID=3579, Internal_Part_Number=MCD-01479, Order_Code_Digikey=644-1352, Order_Code_Farnell=N/A, Order_Code_RS=N/A, Part_Preference=Recommended, Part_Type=Crystal_Osc, ShowFields=YES, Status=Released
X3: library part MCD-01364, "Crystal, 25MHz, 6pF, +/-20ppm, 80R, 2x1.6mm", Manufacturer=NDK, Manufacturer_Part_Number=NX2016SA-25MHZ-EXS00A-CS11321, Package=2x1.6mm, BMS_Part_Number=9157044, Component_Country_Of_Origin=Unknown, ComponentLink1URL=http://tunmcdsvn.tun.st.com/Component_Documentation_Library/Trunk/Crytal_Oscillator/NDK_NX2016SA_Series, ID=3464, Internal_Part_Number=MCD-01364, Order_Code_Digikey=644-1367, Order_Code_Farnell=N/A, Order_Code_RS=N/A, Part_Preference=Recommended, Part_Type=Crystal_Osc, ShowFields=YES, Status=Released
X4 X5: library part MCD-01036, "Crystal, 24MHz, 6pF, +/-20ppm, 80R, 2x1.6mm", Manufacturer=NDK, Manufacturer_Part_Number=NX2016SA-24MHZ-EXS00A-CS10820, Package=2x1.6mm, BMS_Part_Number=9157045, Component_Country_Of_Origin=Unknown, ComponentLink1URL=http://tunmcdsvn.tun.st.com/Component_Documentation_Library/Trunk/Crytal_Oscillator/NDK_NX2016SA_Series, ID=2989, Internal_Part_Number=MCD-01036, Order_Code_Digikey=644-1365, Order_Code_Farnell=N/A, Order_Code_RS=N/A, Part_Preference=Recommended, Part_Type=Crystal_Osc, ShowFields=YES, Status=Released

## Free pads (board coordinates)
  round 6 hole 3.5: 1(3.55,3.55) 1(3.55,93.45) 1(36.75,93.5) 1(94.75,93.5) 1(123.45,3.55) 1(123.45,77.5)

## Via types
v1: diameter 0.55, hole 0.25, Top Layer to Bottom Layer, 1438 vias
v2: diameter 0.4, hole 0.2, Top Layer to Bottom Layer, 276 vias
v3: diameter 0.26, hole 0.1, Top Layer to Signal Layer 1, tented both sides, 29 vias

## Nets (pads, with @x,y where several pads share a name; then routed paths per layer and width w, separated by ;. In a path a pad name is that pad's centre, name@x,y a point inside that pad or via, vN(x,y) a via of type N, cw(c..) or ccw(c..) an arc to the next point about the centre after c; other vN are vias at no path point)
1V8_PERIPH: C9.2 C10.2 C11.2 C12.2 C13.2 C26.2 C145.2 R5.1 R22.2 R168.2 R169.2 TP72.1 TR1.1 TR2.1 U2.A2 U2.B3 U2.C3 U2.C4 U2.G1 U2.G3 U3.8 U4.31 U4.42 U19.21 | length 31.2
  Top Layer w0.1: U2.B3@33.575,88.95 U2.A2@33.975,89.35
  Top Layer w0.2: v1(14.975,75.65) R22.2@15.875,75.65 ; v1(23.65,81.75) 24.35,82.45 U4.42@25.3,82.45 ; U4.31@25.3,78.05 C26.2@28.1,78.05 ; v1(28.375,88.95) 28.47,88.95 28.6,88.82 28.875,88.82 C10.2@28.95,88.745 29.595,88.745 C9.2@29.7,88.85 ; C9.2@29.7,88.95 29.742,88.992 30.117,88.992 30.875,89.75 U2.G1@31.575,89.75 ; C12.2@29.75,88.075 29.85,88.075 30.725,88.95 U2.G3@31.575,88.95 ; U2.C4@33.175,88.55 U2.C3@33.175,88.95 U2.B3@33.575,88.95 ; U2.A2@33.975,89.35 34.45,89.35 v1(34.6,89.5) 35.325,89.5 C11.2@35.6,89.225 ; R5.1@36.5,88.225 v1(37.15,88.225) ; v1(38.5,86) 38.5,85.38 C13.2@38.515,85.365 U3.8@39.54,85.365 ; 42.025,21.55 U19.21@42.025,22.125 ; 44.75,16.875 TP72.1@45.987,16.875
  Top Layer w0.3: 42.025,21.55 42.025,21.475 43.05,20.45 43.675,20.45 44.07,20.055 44.07,20.03 44.175,19.925 C145.2@44.2,19.925 ; C145.2@44.225,19.925 44.33,19.82 44.33,19.795 44.75,19.375 44.75,17.794 44.75,17.625 44.75,16.875 v1(44.75,15.85)
  Bottom Layer w0.2: v1(12.425,90.75) TR2.1@13.3,90.75 13.3,91.65 R169.2@13.8,92.15 ; v1(18.05,89.625) TR1.1@18.05,90.75 18.05,91.65 R168.2@18.55,92.15
  other v1: 27.25,78.05 30.35,88.575
3V3_AO: C7.1 C18.2 C19.2 C22.2 C23.2 C79.2 C113.2 C114.2 CN8.1 CN8.17 L5.2 L8.2 R9.1 R73.2 R78.2 R80.2 R83.2 R100.2 R102.2 R115.1 R135.2 R186.2 TP62.1 U1.30 U5.5 U13.9 | length 48.1
  Top Layer w0.2: TP62.1@11.475,20.75 R135.2@11.475,22.425 10.875,22.425 10.35,22.95 10.35,26.05 13,28.7 v1(16.125,28.7) v1(16.788,28.7) v1(17.45,28.7) ; R186.2@19.175,22 v1(19.825,22) ; v1(39.925,33.5) 40.5,33.5 L5.2@40.675,33.675 ; R115.1@41.625,31 41.652,31.027 41.65,31.029 41.652,31.031 v1(41.652,31.777) ; R78.2@47.35,43.625 47.25,43.725 R73.2@47.25,44.575 47.475,44.8 v1(47.875,44.8) ; U13.9@48.275,38.775 49.8,38.775 50.225,39.2 C79.2@51.525,39.2 ; R102.2@52.425,36.05 R100.2@52.425,37.125 53.35,37.125 53.7,37.475 v1(53.7,39.15) ; R80.2@52.425,43.425 R83.2@52.425,42.35 v1(53.075,42.35) ; R9.1@68.625,87.25 68.675,87.3 v1(68.675,87.875) ; U5.5@71.475,82.025 C22.2@72.85,82.025 72.975,82.15 73.6,82.15 C23.2@73.65,82.2 v1(73.65,81.625) ; U1.30@106.725,85.975 106.725,83.2 C18.2@106.775,83.15 107.85,83.15 C19.2@107.925,83.075 v1(107.925,83.775)
  Bottom Layer w0.2: v1(19.825,22) v1(19.825,28.575) ; CN8.1@41.62,94.77 42.925,93.465 C7.1@42.925,90.275 v1(42.275,90.275)
  other v1: 49.2,38.775
3V3_STLK: C42.2 C43.2 C44.2 C46.2 C47.2 C48.2 C49.2 C57.2 C58.2 C59.2 C61.2 C62.2 C63.2 C67.2 C68.2 C69.2 C74.2 C75.2 C76.2 C77.2 C78.2 CN9.1 LD5.3 R65.1 R89.1 U11.5 U12.C1 U12.C5 U12.C6 U12.C7 U12.C8 U12.C9 U12.F3 U12.G3 U12.G13 U12.H13 U12.J12 U12.J13 U12.K4 U12.N8 U12.N9 U12.N10 U12.P1 U12.R1 X1.4 | length 81.1
  Top Layer w0.2: v1(98.575,49) 98.575,48.425 R65.1@98.525,48.375 99.625,48.375 X1.4@99.8,48.55 ; v1(99.175,49.775) C61.2@99.8,49.775 ; C68.2@101.775,44.4 102.1,44.4 v1(102.725,45.025) 103.975,46.275 106.5,46.275 U12.K4@106.825,46.6 ; C59.2@101.775,50.7 v1(102.8,50.7) 103.325,50.7 104.5,49.525 105.7,49.525 105.85,49.375 105.85,48.875 U12.G3@106.175,48.55 ; C58.2@101.775,51.625 v1(102.8,51.625) 103.175,51.625 104.625,50.175 106.31,50.175 106.5,49.985 106.5,49.525 U12.F3@106.175,49.2 ; C57.2@101.775,52.55 v1(102.8,52.55) 103.475,52.55 U12.C1@104.875,51.15 ; C74.2@103.825,41.15 v1(103.825,41.875) 103.825,42.95 U12.P1@104.875,44 ; C75.2@104.75,41.15 v1(104.75,41.9) 104.75,43.225 U12.R1@104.875,43.35 ; v1(106.825,39.625) R89.1@106.825,40.25 ; C46.2@107.425,54.85 v1(107.425,53.889) 107.8,53.514 107.8,51.475 ; U12.C5@107.475,51.15 107.8,51.475 ; U12.C6@108.125,51.15 107.8,51.475 ; C76.2@108.5,41.15 v1(108.5,41.825) 108.5,42.05 109.1,42.65 109.1,44.325 U12.N8@109.425,44.65 ; U12.C7@108.775,51.15 109.1,51.475 109.1,53.25 109.425,53.575 v1(109.425,54.1) C47.2@109.425,54.85 ; C77.2@109.425,41.15 v1(109.425,41.9) 109.425,42.025 109.75,42.35 109.75,44.325 U12.N9@110.075,44.65 ; U12.C8@109.425,51.15 109.75,51.475 109.75,53.15 110.35,53.75 v1(110.35,54.1) C48.2@110.35,54.85 ; U12.C9@110.075,51.15 110.4,51.475 110.4,53.025 111.275,53.9 C49.2@111.275,54.85 ; C78.2@110.35,41.15 110.4,41.2 v1(110.4,41.9) 110.4,44.325 U12.N10@110.725,44.65 ; U12.J12@112.025,47.25 112.35,46.925 112.35,45.775 112.5,45.625 114.15,45.625 114.55,45.225 114.55,44.175 115.35,43.375 v1(116.1,43.375) C69.2@116.85,43.375 ; U12.J13@112.675,47.25 113,46.925 114.625,46.925 115.25,46.3 115.25,45.95 115.825,45.375 v1(116.075,45.375) C67.2@116.85,45.375 ; U12.H13@112.675,47.9 113,48.225 114.4,48.225 114.475,48.3 v1(116.1,48.3) C63.2@116.85,48.3 ; U12.G13@112.675,48.55 113,48.875 114.35,48.875 114.7,49.225 v1(116.1,49.225) C62.2@116.85,49.225
  Bottom Layer w0.2: v1(122.425,27.6) LD5.3@123.525,27.6
  other v1: 111.275,54.125 105.8,57.425 105.075,57.925
3V3_SW: C6.2 C30.2 C50.1 C53.2 C117.2 C150.2 C154.2 C157.2 C165.2 C168.2 C169.2 C170.2 CN1.15 CN16.4 L4.2 R20.2 R26.2 R29.2 R31.2 R32.2 R43.2 R48.2 R161.2 R162.1 R163.2 R164.2 R165.2 TP49.1 U7.9 U19.38 U33.5 U33.10 U33.15 U33.23 U33.29 U33.36 | length 177
  Top Layer w0.2: v1(30.5,76.125) R20.2@31.975,76.125 ; TP49.1@38.35,33.375 38.9,32.825 39.699,32.825 v1(39.719,32.805) ; U19.38@41.225,28.025 41.225,28.384 41.225,28.799 v1(41.277,28.851) ; U7.9@48.275,61.15 49.55,61.15 49.975,61.575 v1(50.45,61.575) C30.2@51.525,61.575 ; v1(51.65,5.3) 52.537,6.187 52.962,6.187 R164.2@52.975,6.2 ; U33.5@56.4,15.5 56.475,15.575 56.475,16.597 55.925,17.147 v1(55.925,17.3) 56.287,17.662 56.287,17.987 C150.2@56.4,18.1 ; R165.2@56.525,6.2 56.55,6.2 57.382,5.368 v1(57.382,5.089) ; R161.2@58.55,6.5 R162.1@59.625,6.5 v1(59.625,5.7) ; v1(60.7,5.7) R163.2@60.7,6.5
  Top Layer w0.3: v1(50.425,10.275) 50.425,10.525 C168.2@50.825,10.925 C165.2@50.825,11.85 51.225,12.25 U33.15@53.65,12.25 ; C157.2@50.825,15.6 52.45,15.6 53.3,14.75 U33.10@53.65,14.75 ; C170.2@54.75,7.4 54.75,7.5 v1(55.25,8) 56.4,9.15 U33.23@56.4,10 ; U33.29@59.15,11.25 59.611,11.25 61.461,9.4 C169.2@62.1,9.4 v1(62.1,10.05) ; U33.36@59.15,14.75 59.475,14.75 v1(60.975,16.25) ; v1@61.075,16.25 v1(60.975,16.25) ; C154.2@62.1,17.275 62,17.275 v1(60.975,16.25)
  Top Layer w0.4: CN1.15@27.2,91.525 27.2,90.905 27.3,90.805 27.985,90.805 28.265,90.805 28.88,90.805 28.907,90.832 C117.2@28.925,90.85 28.939,90.864 29.805,90.864 29.864,90.805 29.92,90.805 29.975,90.75 C6.2@29.975,90.725 ; C6.2@29.85,90.95 v2(29.85,91.4) ; v1(40.675,54.775) L4.2@40.675,56.025 ; R29.2@47.35,66 47.25,66.1 R26.2@47.25,66.95 47.375,66.825 v2(47.825,66.825) ; R48.2@52.425,58.425 52.575,58.575 v1(53.1,58.575) ; R43.2@52.425,59.5 v1(53.075,59.5) ; R32.2@52.425,64.725 R31.2@52.425,65.8 v1(52.425,66.5) ; C50.1@73.905,60.675 74.83,60.675 74.825,60.68 v1(74.825,61.374)
  Signal Layer 2 w0.5: v1(30.5,76.125) v1@30.503,76.125 ; v1(52.425,66.5) 55.95,66.5 56.525,67.075 62,67.075
  Signal Layer 2 w0.7: v1@30.503,76.125 v1(47.1,76.125) ; v1(43.45,13.55) 47.175,13.55 49.275,15.65 50.85,15.65 50.903,15.598 v1(51.835,15.598) ; 62,67.075 66.55,67.075 68.875,64.75 68.875,63.875 69.925,62.825 73.374,62.825 v1(74.825,61.374)
  Signal Layer 4 w0.7: v1@39.749,32.775 40.675,32.775 44.325,36.425 44.325,41.675 43.05,42.95 v1(42.6,42.95)
  Bottom Layer w0.3: v1(74.825,61.374) 74.825,62.171 75.025,62.371 CN16.4@75.025,63.1
  Bottom Layer w0.7: v2(29.85,91.4) 30.5,90.75 31.95,89.3 31.95,87.325 31.15,86.525 31.15,76.775 v1@30.536,76.161 ; v1(39.719,32.805) 39.719,31.606 40.742,30.583 40.742,29.386 v1(41.277,28.851) 40.201,27.775 39.185,27.775 38.725,27.315 38.725,22.45 38.4,22.125 38.4,20.1 39.525,18.975 39.525,18.175 43.45,14.25 v1(43.45,13.55) ; v1(40.675,54.775) 42.6,52.85 v1(42.6,42.95) ; v1(47.1,76.125) 47.1,67.55 v2@47.779,66.871
5V_USB_CHGR: C84.2 CN10.1 D3.1 U16.1 | length 47.7
  Top Layer w0.3: D3.1@99.245,60.65 v1(100.125,60.65)